# Altium PCB UmTRXv21.PcbDoc (part 5 of 19) (continued)
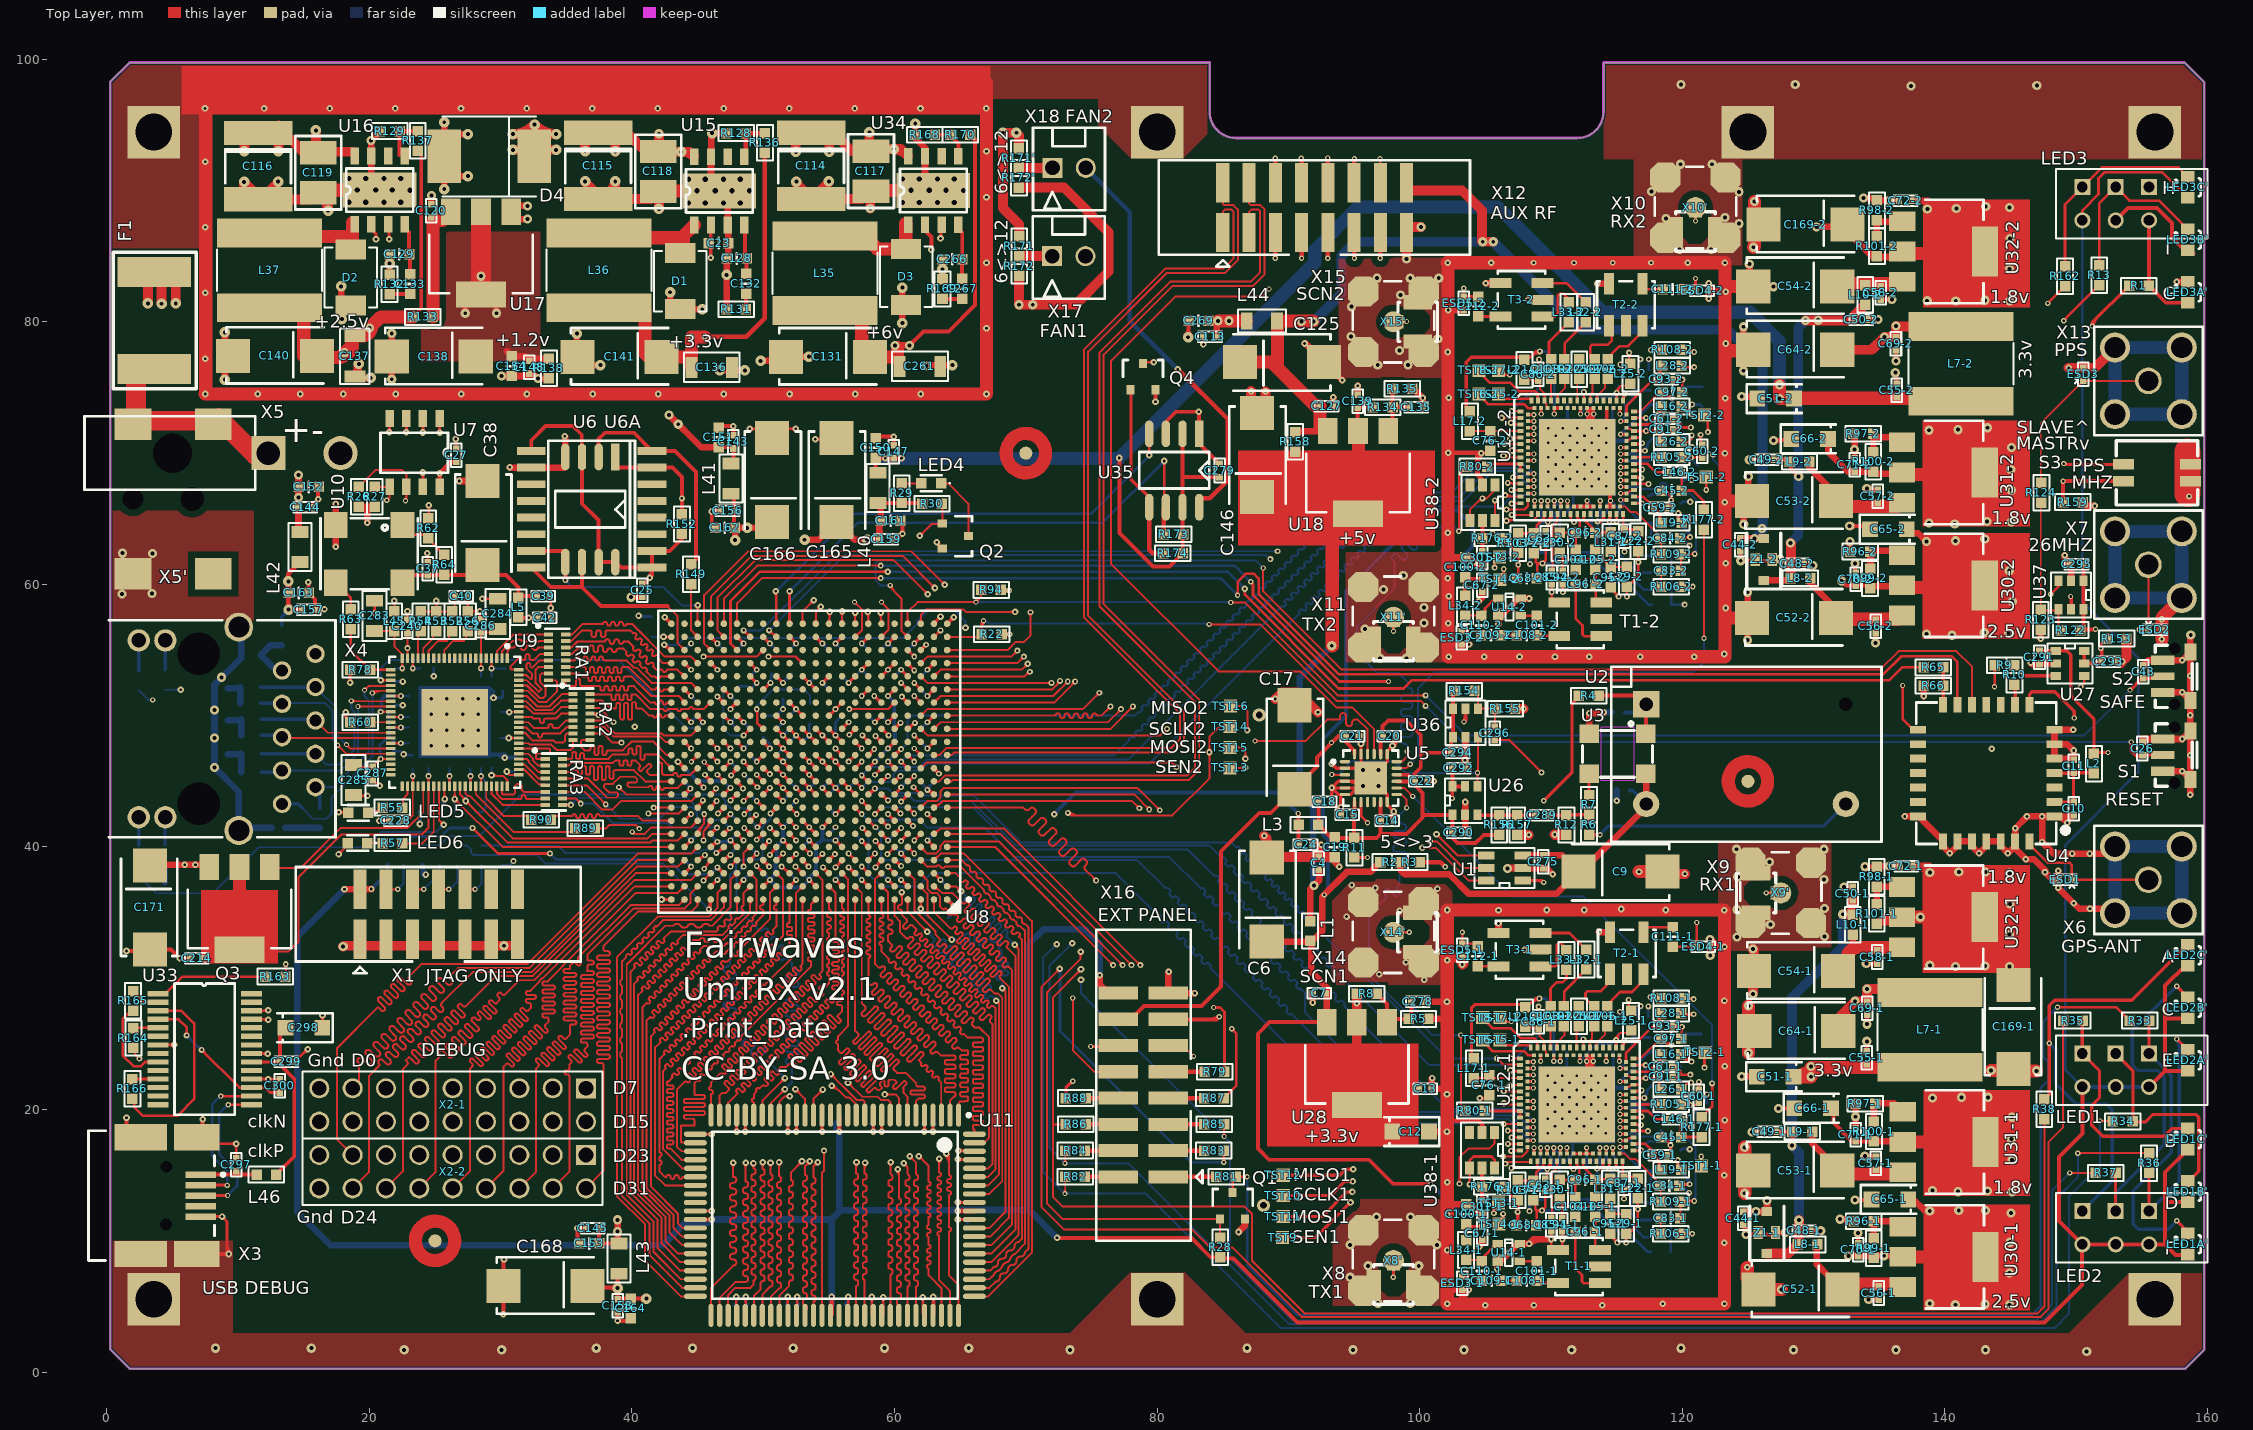
[diagram p0: Top Layer view]
## Nets (pads, with @x,y where several pads share a name; then routed paths per layer and width w, separated by ;. In a path a pad name is that pad's centre, name@x,y a point inside that pad or via, vN(x,y) a via of type N, cw(c..) or ccw(c..) an arc to the next point about the centre after c; other vN are vias at no path point) (continued)
DEBUG15: U8.L15 X2-1.2 | length 53.9
  Top Layer w0.15: U8.L15@49.988,45.825 cw(c49.955,45.347) v1@50.371,45.587 ; U8.L15@49.998,45.975 cw(c49.978,45.685) 50.23,45.831 ; U8.L15@50,45.825 cw(c50,45.282) v1@50.384,45.666 ; U8.L15@50.025,46.025 v1(50.5,45.55) ; U8.L15@50.055,45.834 cw(c50.114,45.655) 50.277,45.749 ; U8.L15@50.17,46.043 ccw(c50.705,46.178) v1@50.429,45.699 ; U8.L15@50.174,45.979 ccw(c50.361,45.957) 50.267,45.793 ; U8.L15@50.175,46 ccw(c50.477,46) 50.263,45.787 ; v1@50.35,45.55 ccw(c49.988,45.55) 50.244,45.806 ccw(c50.5,46.062) v1@50.5,45.7 ; U8.L15@50.045,45.831 cw(c50.114,45.575) 50.247,45.804 ccw(c50.114,45.575) U8.L15@50.045,45.831
  Mid-Layer 2 w0.15: X2-1.2@36.5,19.08 38.475,21.055 38.475,24.325 38.775,24.625 ccw(c38.65,24.75) 38.775,24.875 38.675,24.974 cw(c38.8,25.099) 38.675,25.224 cw(c38.8,25.099) 38.925,25.224 39.15,25 39.374,24.775 ccw(c39.499,24.9) 39.624,24.775 ccw(c39.499,24.9) 39.624,25.025 39.399,25.249 39.175,25.474 cw(c39.3,25.599) 39.175,25.724 cw(c39.3,25.599) 39.425,25.724 39.874,25.275 ccw(c39.999,25.399) 40.123,25.275 ccw(c39.999,25.399) 40.123,25.524 39.674,25.973 cw(c39.799,26.098) 39.674,26.223 cw(c39.799,26.098) 39.924,26.223 40.149,25.999 40.373,25.774 ccw(c40.498,25.899) 40.623,25.774 ccw(c40.498,25.899) 40.623,26.024 40.398,26.248 40.174,26.473 cw(c40.299,26.598) 40.174,26.723 cw(c40.299,26.598) 40.424,26.723 40.873,26.274 ccw(c40.998,26.398) 41.122,26.274 ccw(c40.998,26.398) 41.122,26.523 40.673,26.972 cw(c40.798,27.097) 40.673,27.222 cw(c40.798,27.097) 40.923,27.222 41.148,26.998 41.372,26.773 ccw(c41.497,26.898) 41.622,26.773 ccw(c41.497,26.898) 41.622,27.023 41.397,27.247 41.173,27.472 cw(c41.298,27.597) 41.173,27.722 cw(c41.298,27.597) 41.423,27.722 41.872,27.273 ccw(c41.997,27.397) 42.121,27.273 ccw(c41.997,27.397) 42.121,27.522 41.672,27.971 cw(c41.797,28.096) 41.672,28.221 cw(c41.797,28.096) 41.922,28.221 42.147,27.997 42.371,27.772 ccw(c42.496,27.897) 42.621,27.772 ccw(c42.496,27.897) 42.621,28.022 42.396,28.246 42.172,28.471 cw(c42.297,28.596) 42.172,28.721 cw(c42.297,28.596) 42.422,28.721 42.871,28.272 ccw(c42.996,28.396) 43.12,28.272 ccw(c42.996,28.396) 43.12,28.521 42.896,28.746 42.671,28.97 cw(c42.796,29.095) 42.671,29.22 cw(c42.796,29.095) 42.921,29.22 43.146,28.996 43.37,28.771 ccw(c43.495,28.896) 43.62,28.771 ccw(c43.495,28.896) 43.62,29.021 43.171,29.47 cw(c43.296,29.595) 43.171,29.72 cw(c43.296,29.595) 43.421,29.72 43.52,29.62 ccw(c43.645,29.745) 43.77,29.62 47,32.85 47,39.675 47.325,40 47.7,40 48.1,40.4 48.1,41.566 48.434,41.9 49.466,41.9 50.125,42.559 50.125,43.117 51.075,44.067 51.075,44.975 v1(50.5,45.55) ; v1@50.5,45.4 cw(c50.5,45.038) 50.756,45.294 cw(c51.012,45.55) v1@50.65,45.55
DEBUG16: U8.E20 X2-2.15 | length 50.7
  Top Layer w0.15: X2-2.15@18.72,16.54 17.525,17.735 17.525,24.65 20.65,27.775 cw(c20.665,27.76) 20.68,27.775 20.894,27.561 ccw(c21.018,27.686) 21.143,27.561 ccw(c21.018,27.686) 21.143,27.811 20.686,28.268 cw(c20.811,28.393) 20.686,28.518 cw(c20.811,28.393) 20.936,28.518 21.393,28.061 ccw(c21.518,28.186) 21.643,28.061 ccw(c21.518,28.186) 21.643,28.31 21.414,28.539 21.185,28.768 cw(c21.31,28.893) 21.185,29.018 cw(c21.31,28.893) 21.435,29.018 21.664,28.789 21.893,28.56 ccw(c22.017,28.685) 22.142,28.56 ccw(c22.017,28.685) 22.142,28.81 21.685,29.267 cw(c21.81,29.392) 21.685,29.517 cw(c21.81,29.392) 21.935,29.517 22.392,29.06 ccw(c22.517,29.185) 22.642,29.06 ccw(c22.517,29.185) 22.642,29.309 22.413,29.538 22.184,29.767 cw(c22.309,29.892) 22.184,30.017 cw(c22.309,29.892) 22.434,30.017 22.663,29.788 22.892,29.559 ccw(c23.016,29.684) 23.141,29.559 ccw(c23.016,29.684) 23.141,29.809 23.038,29.913 cw(c23.162,30.038) 23.037,30.162 23.975,31.1 32.05,31.1 40.45,39.5 44.5,39.5 U8.E20@45,40 ; U8.E20@44.825,40 cw(c44.403,40) 44.701,39.701 cw(c45,39.403) U8.E20@45,39.825
DEBUG17: U8.H18 X2-2.13 | length 53.6
  Top Layer w0.15: v1(46.55,42.55) U8.H18@47,43 ; v1@46.55,42.7 ccw(c46.55,43.062) 46.806,42.806 ccw(c47.062,42.55) v1@46.7,42.55 ; v1@46.608,42.692 ccw(c46.387,43.075) U8.H18@46.826,43.021 ; v1@46.692,42.608 cw(c47.075,42.387) U8.H18@47.021,42.826 ; 46.771,42.786 ccw(c46.701,42.905) U8.H18@46.833,42.947 ; 46.786,42.771 cw(c46.905,42.701) U8.H18@46.947,42.833 ; U8.H18@46.825,43 cw(c46.403,43) 46.701,42.701 cw(c47,42.403) U8.H18@47,42.825 ; 46.813,42.818 ccw(c46.657,42.908) 46.831,42.955 cw(c46.657,42.908) 46.813,42.818 ; 46.818,42.813 cw(c46.908,42.657) 46.955,42.831 ccw(c46.908,42.657) 46.818,42.813
  MidLayer1 w0.15: X2-2.13@21.26,16.54 22.5,17.78 22.5,23.451 ccw(c22.398,23.451) 22.398,23.554 cw(c22.398,23.701) 22.25,23.701 22.25,23.734 cw(c22.398,23.734) 22.398,23.882 22.602,23.882 ccw(c22.602,24.029) 22.75,24.029 22.75,24.062 ccw(c22.602,24.062) 22.602,24.209 22.398,24.209 cw(c22.398,24.357) 22.25,24.357 22.25,24.39 cw(c22.398,24.39) 22.398,24.537 22.602,24.537 ccw(c22.602,24.685) 22.75,24.685 22.75,24.718 ccw(c22.602,24.718) 22.602,24.865 22.398,24.865 cw(c22.398,25.013) 22.25,25.013 22.25,25.045 cw(c22.398,25.045) 22.398,25.193 22.602,25.193 ccw(c22.602,25.34) 22.75,25.34 22.75,25.373 ccw(c22.602,25.373) 22.602,25.521 22.398,25.521 cw(c22.398,25.668) 22.25,25.668 22.25,25.701 cw(c22.398,25.701) 22.398,25.848 22.602,25.848 ccw(c22.602,25.996) 22.75,25.996 22.75,26.029 ccw(c22.602,26.029) 22.602,26.176 22.398,26.176 cw(c22.398,26.324) 22.25,26.324 22.25,26.357 cw(c22.398,26.357) 22.398,26.504 22.602,26.504 ccw(c22.602,26.652) 22.75,26.652 22.75,26.684 ccw(c22.602,26.684) 22.602,26.832 22.398,26.832 cw(c22.398,26.979) 22.25,26.979 22.25,27.012 cw(c22.398,27.012) 22.398,27.16 22.602,27.16 ccw(c22.602,27.307) 22.75,27.307 22.75,27.34 ccw(c22.602,27.34) 22.602,27.487 22.398,27.487 cw(c22.398,27.635) 22.25,27.635 22.25,27.668 cw(c22.398,27.668) 22.398,27.815 22.602,27.815 ccw(c22.602,27.963) 22.75,27.963 22.75,27.996 ccw(c22.602,27.996) 22.602,28.143 22.398,28.143 cw(c22.398,28.291) 22.25,28.291 22.25,28.323 cw(c22.398,28.323) 22.398,28.471 22.421,28.471 ccw(c22.421,28.55) 22.5,28.55 22.5,29 23.625,30.125 33.825,30.125 38.325,34.625 38.325,36.675 43.75,42.1 45.666,42.1 46.116,42.55 v1(46.55,42.55) ; v1@46.444,42.444 ccw(c46.188,42.188) 46.188,42.55 ccw(c46.188,42.912) v1@46.444,42.656
DEBUG18: U8.J16 X2-2.11 | length 53
  Top Layer w0.15: v1(48.5,43.5) 48.699,43.699 ; v1@48.5,43.65 ccw(c48.5,44.012) 48.756,43.756 ccw(c49.012,43.5) v1@48.65,43.5 ; U8.J16@48.825,44 cw(c48.403,44) 48.701,43.701 cw(c49,43.403) U8.J16@49,43.825 ; U8.J16@49,44 48.699,43.699 ; v1@48.529,43.647 ccw(c48.565,43.834) 48.699,43.699 ; v1@48.529,43.647 ccw(c48.565,43.834) 48.699,43.699 ; v1@48.529,43.647 ccw(c48.565,43.834) 48.699,43.699 ; v1@48.529,43.647 ccw(c48.565,43.834) 48.699,43.699 ; v1@48.647,43.529 cw(c48.834,43.565) 48.699,43.699 ; v1@48.647,43.529 cw(c48.834,43.565) 48.699,43.699 ; v1@48.647,43.529 cw(c48.834,43.565) 48.699,43.699 ; v1@48.647,43.529 cw(c48.834,43.565) 48.699,43.699
  MidLayer1 w0.15: X2-2.11@23.8,16.54 25.175,17.915 25.175,22.836 ccw(c25.073,22.836) 25.073,22.939 cw(c25.073,23.086) 24.925,23.086 24.925,23.119 cw(c25.073,23.119) 25.073,23.267 25.277,23.267 ccw(c25.277,23.414) 25.425,23.414 25.425,23.447 ccw(c25.277,23.447) 25.277,23.594 25.073,23.594 cw(c25.073,23.742) 24.925,23.742 24.925,23.775 cw(c25.073,23.775) 25.073,23.922 25.277,23.922 ccw(c25.277,24.07) 25.425,24.07 25.425,24.103 ccw(c25.277,24.103) 25.277,24.25 25.073,24.25 cw(c25.073,24.398) 24.925,24.398 24.925,24.43 cw(c25.073,24.43) 25.073,24.578 25.277,24.578 ccw(c25.277,24.725) 25.425,24.725 25.425,24.758 ccw(c25.277,24.758) 25.277,24.906 25.073,24.906 cw(c25.073,25.053) 24.925,25.053 24.925,25.086 cw(c25.073,25.086) 25.073,25.233 25.277,25.233 ccw(c25.277,25.381) 25.425,25.381 25.425,25.414 ccw(c25.277,25.414) 25.277,25.561 25.073,25.561 cw(c25.073,25.709) 24.925,25.709 24.925,25.742 cw(c25.073,25.742) 25.073,25.889 25.277,25.889 ccw(c25.277,26.037) 25.425,26.037 25.425,26.069 ccw(c25.277,26.069) 25.277,26.217 25.073,26.217 cw(c25.073,26.364) 24.925,26.364 24.925,26.397 cw(c25.073,26.397) 25.073,26.545 25.145,26.545 ccw(c25.145,26.575) 25.175,26.575 25.175,26.8 25.393,27.018 ccw(c25.321,27.091) 25.393,27.163 cw(c25.498,27.268) 25.393,27.372 25.417,27.395 cw(c25.521,27.291) 25.625,27.395 25.77,27.25 ccw(c25.874,27.355) 25.979,27.25 26.002,27.273 ccw(c25.898,27.378) 26.002,27.482 25.857,27.627 cw(c25.961,27.731) 25.857,27.836 25.88,27.859 cw(c25.984,27.754) 26.089,27.859 ccw(c26.161,27.931) 26.234,27.859 26.525,28.15 26.961,28.15 ccw(c26.961,28.252) 27.064,28.252 cw(c27.211,28.252) 27.211,28.4 27.244,28.4 cw(c27.244,28.252) 27.392,28.252 27.392,28.048 ccw(c27.539,28.048) 27.539,27.9 27.572,27.9 ccw(c27.572,28.048) 27.719,28.048 cw(c27.822,28.048) 27.822,28.15 28.172,28.5 34.325,28.5 39.675,33.85 39.675,36.925 44.35,41.6 45.873,41.6 46.173,41.9 47.006,41.9 47.181,42.075 47.676,42.075 48.05,42.449 48.05,43.05 v1(48.5,43.5) ; v1@48.35,43.5 cw(c47.988,43.5) 48.244,43.244 cw(c48.5,42.988) v1@48.5,43.35
DEBUG19: U8.G19 X2-2.9 | length 52.5
  Top Layer w0.15: v1@45.344,40.606 ccw(c45.088,40.862) 45.45,40.862 ccw(c45.812,40.862) v1@45.556,40.606 ; v1(45.45,40.5) 45.45,41.196 45.975,41.721 U8.G19@45.975,42 ; 45.522,41.268 ccw(c44.79,42) U8.G19@45.825,42 ; 45.778,41.524 ccw(c45.303,42) U8.G19@45.975,42 ; U8.G19@45.903,41.854 cw(c45.814,41.72) 45.975,41.72 cw(c46.096,41.72) U8.G19@46.057,41.834 ; U8.G19@45.975,42.025 U8.G19@45.975,42
  MidLayer1 w0.15: X2-2.9@26.34,16.54 27.6,17.8 27.6,23.243 ccw(c27.441,23.243) 27.441,23.402 27.259,23.402 cw(c27.259,23.561) 27.1,23.561 27.1,23.596 cw(c27.259,23.596) 27.259,23.755 27.941,23.755 ccw(c27.941,23.914) 28.1,23.914 28.1,23.949 ccw(c27.941,23.949) 27.941,24.108 27.259,24.108 cw(c27.259,24.267) 27.1,24.267 27.1,24.302 cw(c27.259,24.302) 27.259,24.461 27.441,24.461 ccw(c27.441,24.62) 27.6,24.62 27.6,25.025 27.75,25.175 ccw(c27.638,25.287) 27.75,25.4 27.621,25.529 cw(c27.734,25.641) 27.621,25.753 27.646,25.778 cw(c27.759,25.666) 27.871,25.778 28,25.65 ccw(c28.112,25.762) 28.225,25.65 28.5,25.925 28.743,25.925 ccw(c28.743,26.084) 28.902,26.084 28.902,26.229 cw(c29.061,26.229) 29.061,26.388 29.096,26.388 cw(c29.096,26.229) 29.255,26.229 29.255,25.587 ccw(c29.414,25.587) 29.414,25.428 29.449,25.428 ccw(c29.449,25.587) 29.608,25.587 29.608,26.229 cw(c29.767,26.229) 29.767,26.388 29.802,26.388 cw(c29.802,26.229) 29.961,26.229 29.961,25.587 ccw(c30.12,25.587) 30.12,25.428 30.155,25.428 ccw(c30.155,25.587) 30.314,25.587 30.314,26.263 cw(c30.473,26.263) 30.473,26.422 30.509,26.422 cw(c30.509,26.263) 30.668,26.263 30.668,25.652 ccw(c30.827,25.652) 30.827,25.493 30.862,25.493 ccw(c30.862,25.652) 31.021,25.652 31.021,26.263 cw(c31.18,26.263) 31.18,26.422 31.215,26.422 cw(c31.215,26.263) 31.374,26.263 31.374,25.712 ccw(c31.533,25.712) 31.533,25.553 31.568,25.553 ccw(c31.568,25.712) 31.727,25.712 31.727,26.263 cw(c31.886,26.263) 31.886,26.422 31.921,26.422 cw(c31.921,26.263) 32.08,26.263 32.08,25.712 ccw(c32.239,25.712) 32.239,25.553 32.275,25.553 ccw(c32.275,25.712) 32.434,25.712 32.434,26.263 cw(c32.593,26.263) 32.593,26.422 32.628,26.422 cw(c32.628,26.263) 32.787,26.263 32.787,25.712 ccw(c32.946,25.712) 32.946,25.553 32.981,25.553 ccw(c32.981,25.712) 33.14,25.712 33.14,25.766 cw(c33.299,25.766) 33.299,25.925 33.85,25.925 41,33.075 41,37.15 43.9,40.05 45,40.05 v1(45.45,40.5) ; v1@45.3,40.5 cw(c44.938,40.5) 45.194,40.244 cw(c45.45,39.988) v1@45.45,40.35
DEBUG20: U8.G16 X2-2.7 | length 53.5
  Top Layer w0.15: U8.G16@48.979,42.174 ccw(c48.925,42.613) v1@49.308,42.392 ; U8.G16@49,42 49.301,42.301 v1(49.45,42.45) ; U8.G16@49,42.175 ccw(c49,42.597) 49.299,42.299 ccw(c49.597,42) U8.G16@49.175,42 ; U8.G16@49.053,42.167 ccw(c49.095,42.299) 49.214,42.229 ; U8.G16@49.167,42.053 cw(c49.299,42.095) 49.229,42.214 ; U8.G16@49.174,41.979 cw(c49.613,41.925) v1@49.392,42.308 ; v1@49.3,42.45 cw(c48.938,42.45) 49.194,42.194 cw(c49.45,41.938) v1@49.45,42.3 ; U8.G16@49.045,42.169 ccw(c49.092,42.343) 49.182,42.187 cw(c49.092,42.343) U8.G16@49.045,42.169 ; U8.G16@49.169,42.045 cw(c49.343,42.092) 49.187,42.182 ccw(c49.343,42.092) U8.G16@49.169,42.045
  MidLayer1 w0.15: X2-2.7@28.88,16.54 30.125,17.785 30.125,22.775 30.282,22.932 ccw(c30.17,23.045) 30.282,23.157 30.241,23.198 cw(c30.354,23.311) 30.241,23.423 30.266,23.448 cw(c30.379,23.336) 30.491,23.448 30.645,23.295 30.886,23.053 ccw(c30.998,23.166) 31.111,23.053 31.136,23.078 ccw(c31.023,23.191) 31.136,23.303 30.894,23.544 30.741,23.698 cw(c30.853,23.81) 30.741,23.923 30.766,23.948 cw(c30.878,23.835) 30.991,23.948 31.144,23.794 31.385,23.553 ccw(c31.498,23.665) 31.61,23.553 31.635,23.578 ccw(c31.523,23.69) 31.635,23.803 31.24,24.197 cw(c31.353,24.31) 31.24,24.422 31.265,24.447 cw(c31.378,24.335) 31.49,24.447 31.531,24.406 ccw(c31.644,24.518) 31.756,24.406 32.025,24.675 32.468,24.675 ccw(c32.468,24.834) 32.627,24.834 32.627,24.891 cw(c32.786,24.891) 32.786,25.05 32.821,25.05 cw(c32.821,24.891) 32.98,24.891 32.98,24.359 ccw(c33.139,24.359) 33.139,24.2 33.174,24.2 ccw(c33.174,24.359) 33.333,24.359 33.333,24.891 cw(c33.492,24.891) 33.492,25.05 33.527,25.05 cw(c33.527,24.891) 33.686,24.891 33.686,24.359 ccw(c33.845,24.359) 33.845,24.2 33.88,24.2 ccw(c33.88,24.359) 34.039,24.359 34.039,24.891 cw(c34.198,24.891) 34.198,25.05 34.234,25.05 cw(c34.234,24.891) 34.393,24.891 34.393,24.707 ccw(c34.425,24.707) 34.425,24.675 34.875,24.675 41.413,31.213 41.413,31.438 cw(c41.526,31.326) 41.638,31.438 41.767,31.31 ccw(c41.879,31.422) 41.992,31.31 42.017,31.335 ccw(c41.904,31.447) 42.017,31.559 41.776,31.801 41.534,32.042 cw(c41.647,32.154) 41.534,32.267 41.559,32.292 cw(c41.672,32.179) 41.784,32.292 42.267,31.809 ccw(c42.379,31.922) 42.491,31.809 42.516,31.834 ccw(c42.404,31.947) 42.516,32.059 42.388,32.188 cw(c42.5,32.3) 42.388,32.413 42.675,32.7 42.675,33.214 42.816,33.214 ccw(c42.816,33.373) 42.975,33.373 42.975,33.408 ccw(c42.816,33.408) 42.816,33.567 42.334,33.567 cw(c42.334,33.726) 42.175,33.726 42.175,33.761 cw(c42.334,33.761) 42.334,33.92 42.816,33.92 ccw(c42.816,34.079) 42.975,34.079 42.975,34.114 ccw(c42.816,34.114) 42.816,34.273 cw(c42.816,34.415) 42.675,34.415 42.675,37.675 44.2,39.2 45.174,39.2 45.384,38.989 45.716,38.989 45.95,39.224 45.95,40.575 46.202,40.827 46.747,40.827 46.945,41.025 47.616,41.025 48.1,41.509 48.1,41.566 48.384,41.85 48.9,41.85 49.45,42.4 v1(49.45,42.45) ; 49.159,42.109 ccw(c48.817,42.45) v1@49.3,42.45 ; 49.279,42.229 cw(c49.45,42.059) v1@49.45,42.3
DEBUG21: U8.D19 X2-2.5 | length 51.5
  Top Layer w0.15: v1(45.5,38.339) 45.5,38.4 U8.D19@46.05,38.95 ; v1@45.5,38.489 ccw(c45.5,38.705) 45.653,38.553 ; 45.631,38.531 ccw(c45.161,39) U8.D19@45.825,39 ; v1@45.65,38.339 cw(c46.159,38.339) 45.799,38.699 ; 45.872,38.772 cw(c46,38.644) U8.D19@46,38.825
  MidLayer1 w0.15: X2-2.5@31.42,16.54 32.6,17.72 32.6,22.15 33.625,23.175 37.3,23.175 37.837,23.712 ccw(c37.725,23.825) 37.837,23.937 37.709,24.066 cw(c37.821,24.178) 37.709,24.291 37.734,24.316 cw(c37.846,24.203) 37.958,24.316 38.441,23.833 ccw(c38.553,23.946) 38.666,23.833 38.691,23.858 ccw(c38.578,23.971) 38.691,24.083 38.449,24.324 38.208,24.566 cw(c38.321,24.678) 38.208,24.79 38.233,24.815 cw(c38.346,24.703) 38.458,24.815 38.94,24.333 ccw(c39.053,24.445) 39.165,24.333 39.19,24.358 ccw(c39.078,24.47) 39.19,24.583 38.708,25.065 cw(c38.82,25.177) 38.708,25.29 38.733,25.315 cw(c38.845,25.202) 38.957,25.315 39.199,25.074 39.44,24.832 ccw(c39.552,24.945) 39.665,24.832 39.69,24.857 ccw(c39.577,24.97) 39.69,25.082 39.448,25.323 39.207,25.565 cw(c39.32,25.677) 39.207,25.789 39.232,25.814 cw(c39.345,25.702) 39.457,25.814 39.939,25.332 ccw(c40.052,25.444) 40.164,25.332 40.189,25.357 ccw(c40.077,25.469) 40.189,25.582 39.707,26.064 cw(c39.819,26.176) 39.707,26.289 39.732,26.314 cw(c39.844,26.201) 39.956,26.314 40.198,26.073 40.439,25.831 ccw(c40.551,25.944) 40.664,25.831 40.689,25.856 ccw(c40.576,25.969) 40.689,26.081 40.447,26.322 40.206,26.564 cw(c40.319,26.676) 40.206,26.788 40.231,26.813 cw(c40.344,26.701) 40.456,26.813 40.938,26.331 ccw(c41.051,26.443) 41.163,26.331 41.188,26.356 ccw(c41.076,26.468) 41.188,26.581 40.706,27.063 cw(c40.818,27.175) 40.706,27.288 40.731,27.313 cw(c40.843,27.2) 40.955,27.313 41.197,27.072 41.438,26.83 ccw(c41.55,26.943) 41.663,26.83 41.688,26.855 ccw(c41.575,26.968) 41.688,27.08 41.446,27.321 41.205,27.563 cw(c41.318,27.675) 41.205,27.787 41.23,27.812 cw(c41.343,27.7) 41.455,27.812 41.937,27.33 ccw(c42.05,27.442) 42.162,27.33 42.187,27.355 ccw(c42.075,27.467) 42.187,27.58 41.705,28.062 cw(c41.817,28.174) 41.705,28.287 41.73,28.312 cw(c41.842,28.199) 41.954,28.312 42.196,28.071 42.437,27.829 ccw(c42.549,27.942) 42.662,27.829 42.687,27.854 ccw(c42.574,27.967) 42.687,28.079 42.204,28.562 cw(c42.317,28.674) 42.204,28.786 42.229,28.811 cw(c42.342,28.699) 42.454,28.811 42.936,28.329 ccw(c43.049,28.441) 43.161,28.329 43.186,28.354 ccw(c43.074,28.466) 43.186,28.579 42.945,28.82 42.704,29.061 cw(c42.816,29.173) 42.704,29.286 42.729,29.311 cw(c42.841,29.198) 42.953,29.311 43.195,29.07 43.436,28.828 ccw(c43.548,28.941) 43.661,28.828 43.686,28.853 ccw(c43.573,28.966) 43.686,29.078 43.557,29.207 cw(c43.669,29.319) 43.557,29.432 43.75,29.625 43.75,36.65 45.47,38.37 45.55,38.45 45.55,38.389 v1(45.5,38.339) ; 45.14,38.04 cw(c45.5,37.681) v1@45.5,38.189 ; 45.287,38.187 ccw(c45.134,38.339) v1@45.35,38.339
DEBUG22: U8.K17 X2-2.3 | length 52.3
  Top Layer w0.15: U8.K17@47.96,44.83 cw(c47.843,44.324) v1@48.292,44.584 ; U8.K17@48,44.825 cw(c48,44.403) 48.299,44.701 cw(c48.597,45) U8.K17@48.175,45 ; U8.K17@48,45 48.45,44.55 v1(48.45,44.45) ; U8.K17@48.123,44.877 cw(c47.696,44.45) v1@48.3,44.45 ; U8.K17@48.169,44.955 ccw(c48.428,44.885) 48.196,44.751
  MidLayer1 w0.15: X2-2.3@33.96,16.54 35.225,15.275 37.925,15.275 38.125,15.475 ccw(c38.009,15.591) 38.125,15.707 38.003,15.829 cw(c38.119,15.944) 38.003,16.06 cw(c38.119,15.944) 38.235,16.06 38.71,15.585 ccw(c38.826,15.701) 38.942,15.585 ccw(c38.826,15.701) 38.942,15.817 38.467,16.292 cw(c38.583,16.408) 38.467,16.524 cw(c38.583,16.408) 38.699,16.524 38.936,16.286 39.174,16.049 ccw(c39.29,16.164) 39.406,16.049 ccw(c39.29,16.164) 39.406,16.28 38.93,16.756 cw(c39.046,16.872) 38.93,16.987 cw(c39.046,16.872) 39.162,16.987 39.637,16.512 ccw(c39.753,16.628) 39.869,16.512 ccw(c39.753,16.628) 39.869,16.744 39.632,16.982 39.394,17.219 cw(c39.51,17.335) 39.394,17.451 cw(c39.51,17.335) 39.626,17.451 40.101,16.976 ccw(c40.217,17.092) 40.333,16.976 ccw(c40.217,17.092) 40.333,17.208 39.858,17.683 cw(c39.973,17.799) 39.858,17.915 cw(c39.973,17.799) 40.089,17.915 40.211,17.793 ccw(c40.327,17.909) 40.443,17.793 40.625,17.975 40.625,18.4 ccw(c40.461,18.4) 40.461,18.564 40.412,18.564 cw(c40.412,18.728) 40.248,18.728 cw(c40.412,18.728) 40.412,18.892 40.838,18.892 ccw(c40.838,19.056) 41.002,19.056 ccw(c40.838,19.056) 40.838,19.219 40.781,19.219 cw(c40.781,19.375) 40.625,19.375 40.625,22.35 45.25,26.975 45.25,35.55 45.95,36.25 45.95,37.8 46.2,38.05 46.334,38.05 46.666,38.05 46.9,38.284 46.9,38.65 47.1,38.85 47.1,39.6 47.325,39.825 48.391,39.825 49.075,40.509 49.075,41.591 49.384,41.9 49.6,41.9 49.95,42.25 49.95,42.7 49.65,43 49.15,43 48.95,43.2 48.95,43.95 v1(48.45,44.45) ; v1@48.45,44.3 cw(c48.45,43.938) 48.706,44.194 cw(c48.962,44.45) v1@48.6,44.45
DEBUG23: U8.C19 X2-2.1 | length 51.8
  Top Layer w0.15: v1(45.45,37.45) U8.C19@46,38 ; v1@45.45,37.6 ccw(c45.45,37.962) 45.706,37.706 ccw(c45.962,37.45) v1@45.6,37.45 ; U8.C19@45.825,38 cw(c45.403,38) 45.701,37.701 cw(c46,37.403) U8.C19@46,37.825
  MidLayer1 w0.15: X2-2.1@36.5,16.54 37.906,17.946 cw(c38.018,17.834) 38.131,17.946 38.26,17.817 ccw(c38.372,17.93) 38.484,17.817 38.509,17.842 ccw(c38.397,17.955) 38.509,18.067 38.268,18.308 38.027,18.549 cw(c38.139,18.662) 38.027,18.774 38.052,18.799 cw(c38.164,18.687) 38.277,18.799 38.759,18.317 ccw(c38.871,18.429) 38.984,18.317 39.009,18.342 ccw(c38.896,18.454) 39.009,18.566 38.88,18.695 cw(c38.992,18.808) 38.88,18.92 39.3,19.34 39.3,19.55 ccw(c39.259,19.55) 39.259,19.591 38.959,19.591 cw(c38.959,19.75) 38.8,19.75 38.8,19.786 cw(c38.959,19.786) 38.959,19.945 39.641,19.945 ccw(c39.641,20.104) 39.8,20.104 39.8,20.139 ccw(c39.641,20.139) 39.641,20.298 38.959,20.298 cw(c38.959,20.457) 38.8,20.457 38.8,20.492 cw(c38.959,20.492) 38.959,20.651 39.641,20.651 ccw(c39.641,20.81) 39.8,20.81 39.8,20.845 ccw(c39.641,20.845) 39.641,21.004 38.959,21.004 cw(c38.959,21.163) 38.8,21.163 38.8,21.198 cw(c38.959,21.198) 38.959,21.357 39.641,21.357 ccw(c39.641,21.516) 39.8,21.516 39.8,21.552 ccw(c39.641,21.552) 39.641,21.711 38.959,21.711 cw(c38.959,21.87) 38.8,21.87 38.8,21.905 cw(c38.959,21.905) 38.959,22.064 39.641,22.064 ccw(c39.641,22.223) 39.8,22.223 39.8,22.258 ccw(c39.641,22.258) 39.641,22.417 38.959,22.417 cw(c38.959,22.576) 38.8,22.576 38.8,22.611 cw(c38.959,22.611) 38.959,22.77 39.641,22.77 ccw(c39.641,22.929) 39.8,22.929 39.8,22.964 ccw(c39.641,22.964) 39.641,23.123 39.459,23.123 cw(c39.459,23.282) 39.3,23.282 39.3,23.7 40.012,24.412 cw(c40.125,24.3) 40.237,24.412 40.366,24.283 ccw(c40.478,24.396) 40.591,24.283 40.616,24.308 ccw(c40.503,24.421) 40.616,24.533 40.487,24.662 cw(c40.599,24.774) 40.487,24.887 40.512,24.912 cw(c40.624,24.799) 40.737,24.912 40.865,24.783 ccw(c40.978,24.895) 41.09,24.783 41.115,24.808 ccw(c41.003,24.92) 41.115,25.033 40.986,25.161 cw(c41.099,25.274) 40.986,25.386 41.011,25.411 cw(c41.124,25.299) 41.236,25.411 41.365,25.282 ccw(c41.477,25.395) 41.59,25.282 41.615,25.307 ccw(c41.502,25.42) 41.615,25.532 41.486,25.661 cw(c41.598,25.773) 41.486,25.886 41.511,25.911 cw(c41.623,25.798) 41.736,25.911 41.864,25.782 ccw(c41.977,25.894) 42.089,25.782 42.114,25.807 ccw(c42.002,25.919) 42.114,26.032 41.985,26.16 cw(c42.098,26.273) 41.985,26.385 42.01,26.41 cw(c42.123,26.298) 42.235,26.41 42.364,26.281 ccw(c42.476,26.394) 42.589,26.281 42.614,26.306 ccw(c42.501,26.419) 42.614,26.531 42.485,26.66 cw(c42.597,26.772) 42.485,26.885 42.51,26.91 cw(c42.622,26.797) 42.735,26.91 42.863,26.781 ccw(c42.976,26.893) 43.088,26.781 43.113,26.806 ccw(c43.001,26.918) 43.113,27.031 42.984,27.159 cw(c43.097,27.272) 42.984,27.384 43.009,27.409 cw(c43.122,27.297) 43.234,27.409 43.363,27.28 ccw(c43.475,27.393) 43.588,27.28 43.613,27.305 ; 43.613,27.53 43.484,27.659 cw(c43.596,27.771) 43.484,27.884 43.509,27.909 cw(c43.621,27.796) 43.734,27.909 43.862,27.78 ccw(c43.975,27.892) 44.087,27.78 44.112,27.805 ccw(c44,27.917) 44.112,28.03 43.983,28.158 cw(c44.096,28.271) 43.983,28.383 44.55,28.95 44.55,29.625 ccw(c44.373,29.625) 44.373,29.802 44.233,29.802 cw(c44.233,29.978) 44.056,29.978 cw(c44.233,29.978) 44.233,30.155 44.817,30.155 ccw(c44.817,30.331) 44.994,30.331 ccw(c44.817,30.331) 44.817,30.508 44.233,30.508 cw(c44.233,30.685) 44.056,30.685 cw(c44.233,30.685) 44.233,30.861 44.817,30.861 ccw(c44.817,31.038) 44.994,31.038 ccw(c44.817,31.038) 44.817,31.214 44.233,31.214 cw(c44.233,31.391) 44.056,31.391 cw(c44.233,31.391) 44.233,31.568 44.817,31.568 ccw(c44.817,31.744) 44.994,31.744 ccw(c44.817,31.744) 44.817,31.921 44.233,31.921 cw(c44.233,32.097) 44.056,32.097 cw(c44.233,32.097) 44.233,32.274 44.817,32.274 ccw(c44.817,32.451) 44.994,32.451 ccw(c44.817,32.451) 44.817,32.627 44.233,32.627 cw(c44.233,32.804) 44.056,32.804 cw(c44.233,32.804) 44.233,32.98 44.817,32.98 ccw(c44.817,33.157) 44.994,33.157 ccw(c44.817,33.157) 44.817,33.334 44.55,33.334 44.55,36.55 v1(45.45,37.45) ; 43.613,27.305 ccw(c43.5,27.418) 43.613,27.53 ; v1@45.3,37.45 cw(c44.938,37.45) 45.194,37.194 cw(c45.45,36.938) v1@45.45,37.3
DEBUG24: U8.D21 X2-2.16 | length 50.7
  Top Layer w0.15: X2-2.16@18.72,14 19.975,15.255 19.975,22.575 20.731,23.331 ccw(c20.656,23.405) 20.731,23.48 cw(c20.874,23.623) 20.731,23.766 cw(c20.874,23.623) 21.016,23.766 21.287,23.495 ccw(c21.43,23.637) 21.573,23.495 ccw(c21.43,23.637) 21.573,23.78 21.3,24.054 cw(c21.443,24.196) 21.3,24.339 cw(c21.443,24.196) 21.585,24.339 21.859,24.066 ccw(c22.002,24.209) 22.144,24.066 ccw(c22.002,24.209) 22.144,24.352 21.948,24.548 21.851,24.645 cw(c21.994,24.788) 21.851,24.931 cw(c21.994,24.788) 22.136,24.931 22.234,24.834 22.43,24.637 ccw(c22.573,24.78) 22.716,24.637 ccw(c22.573,24.78) 22.716,24.923 22.519,25.119 22.397,25.242 cw(c22.54,25.384) 22.397,25.527 cw(c22.54,25.384) 22.683,25.527 22.805,25.405 23.001,25.209 ccw(c23.144,25.351) 23.287,25.209 ccw(c23.144,25.351) 23.287,25.494 22.97,25.812 cw(c23.113,25.954) 22.97,26.097 cw(c23.113,25.954) 23.256,26.097 23.573,25.78 ccw(c23.716,25.923) 23.858,25.78 ccw(c23.716,25.923) 23.858,26.066 23.566,26.358 cw(c23.709,26.501) 23.566,26.644 cw(c23.709,26.501) 23.852,26.644 23.948,26.548 24.144,26.351 ccw(c24.287,26.494) 24.43,26.351 ccw(c24.287,26.494) 24.43,26.637 24.233,26.833 24.157,26.909 cw(c24.3,27.052) 24.157,27.195 cw(c24.3,27.052) 24.443,27.195 24.519,27.119 24.716,26.923 ccw(c24.858,27.065) 25.001,26.923 ccw(c24.858,27.065) 25.001,27.208 24.805,27.405 24.735,27.474 cw(c24.878,27.617) 24.735,27.76 cw(c24.878,27.617) 25.021,27.76 25.287,27.494 ccw(c25.43,27.637) 25.573,27.494 ccw(c25.43,27.637) 25.573,27.78 25.519,27.833 cw(c25.662,27.976) 25.519,28.119 27.875,30.475 32.35,30.475 40.375,38.5 43.5,38.5 U8.D21@44,39 ; U8.D21@43.825,39 cw(c43.403,39) 43.701,38.701 cw(c44,38.403) U8.D21@44,38.825
DEBUG25: U8.C22 X2-2.14 | length 50.5
  Top Layer w0.15: X2-2.14@21.26,14 22.55,15.29 22.55,23.075 22.875,23.4 ccw(c22.75,23.525) 22.875,23.65 22.782,23.743 23.032,23.993 23.25,23.775 23.468,23.557 ccw(c23.593,23.681) 23.717,23.557 ccw(c23.593,23.681) 23.717,23.806 23.499,24.024 23.281,24.242 cw(c23.406,24.367) 23.281,24.492 cw(c23.406,24.367) 23.531,24.492 23.967,24.056 ccw(c24.092,24.181) 24.217,24.056 ccw(c24.092,24.181) 24.217,24.306 23.781,24.742 cw(c23.906,24.867) 23.781,24.992 cw(c23.906,24.867) 24.031,24.992 24.249,24.774 24.467,24.556 ccw(c24.592,24.68) 24.716,24.556 ccw(c24.592,24.68) 24.716,24.805 24.498,25.023 24.28,25.241 cw(c24.405,25.366) 24.28,25.491 cw(c24.405,25.366) 24.53,25.491 24.966,25.055 ccw(c25.091,25.18) 25.216,25.055 ccw(c25.091,25.18) 25.216,25.305 24.78,25.741 cw(c24.905,25.866) 24.78,25.991 cw(c24.905,25.866) 25.03,25.991 25.248,25.773 25.466,25.555 ccw(c25.591,25.679) 25.715,25.555 ccw(c25.591,25.679) 25.715,25.804 25.497,26.022 25.279,26.24 cw(c25.404,26.365) 25.279,26.49 cw(c25.404,26.365) 25.529,26.49 25.965,26.054 ccw(c26.09,26.179) 26.215,26.054 ccw(c26.09,26.179) 26.215,26.304 25.779,26.74 cw(c25.904,26.865) 25.779,26.99 cw(c25.904,26.865) 26.029,26.99 26.247,26.772 26.465,26.554 ccw(c26.59,26.678) 26.714,26.554 ccw(c26.59,26.678) 26.714,26.803 26.496,27.021 26.278,27.239 cw(c26.403,27.364) 26.278,27.489 cw(c26.403,27.364) 26.528,27.489 26.964,27.053 ccw(c27.089,27.178) 27.214,27.053 ccw(c27.089,27.178) 27.214,27.303 26.996,27.521 26.778,27.739 cw(c26.903,27.864) 26.778,27.989 cw(c26.903,27.864) 27.028,27.989 27.121,27.895 ccw(c27.246,28.02) 27.37,27.895 29.65,30.175 32.45,30.175 40.275,38 U8.C22@43,38 ; U8.C22@42.876,37.876 ccw(c42.578,37.578) 42.578,38 ccw(c42.578,38.422) U8.C22@42.876,38.124